# Altium PCB PCBv2.PcbDoc (part 1 of 2)
Units mil, origin at the board's own origin, x right, y up, seen from the top; angles counter-clockwise.
Board outline 3566.19 x 4857.71 mil, 2 copper layers (Top Layer, Bottom Layer), stack 42.17 mil thick; 108 components, 63 nets, 369 pads, 2924 vias.
Unrouted connection lines stored in the file: 1.
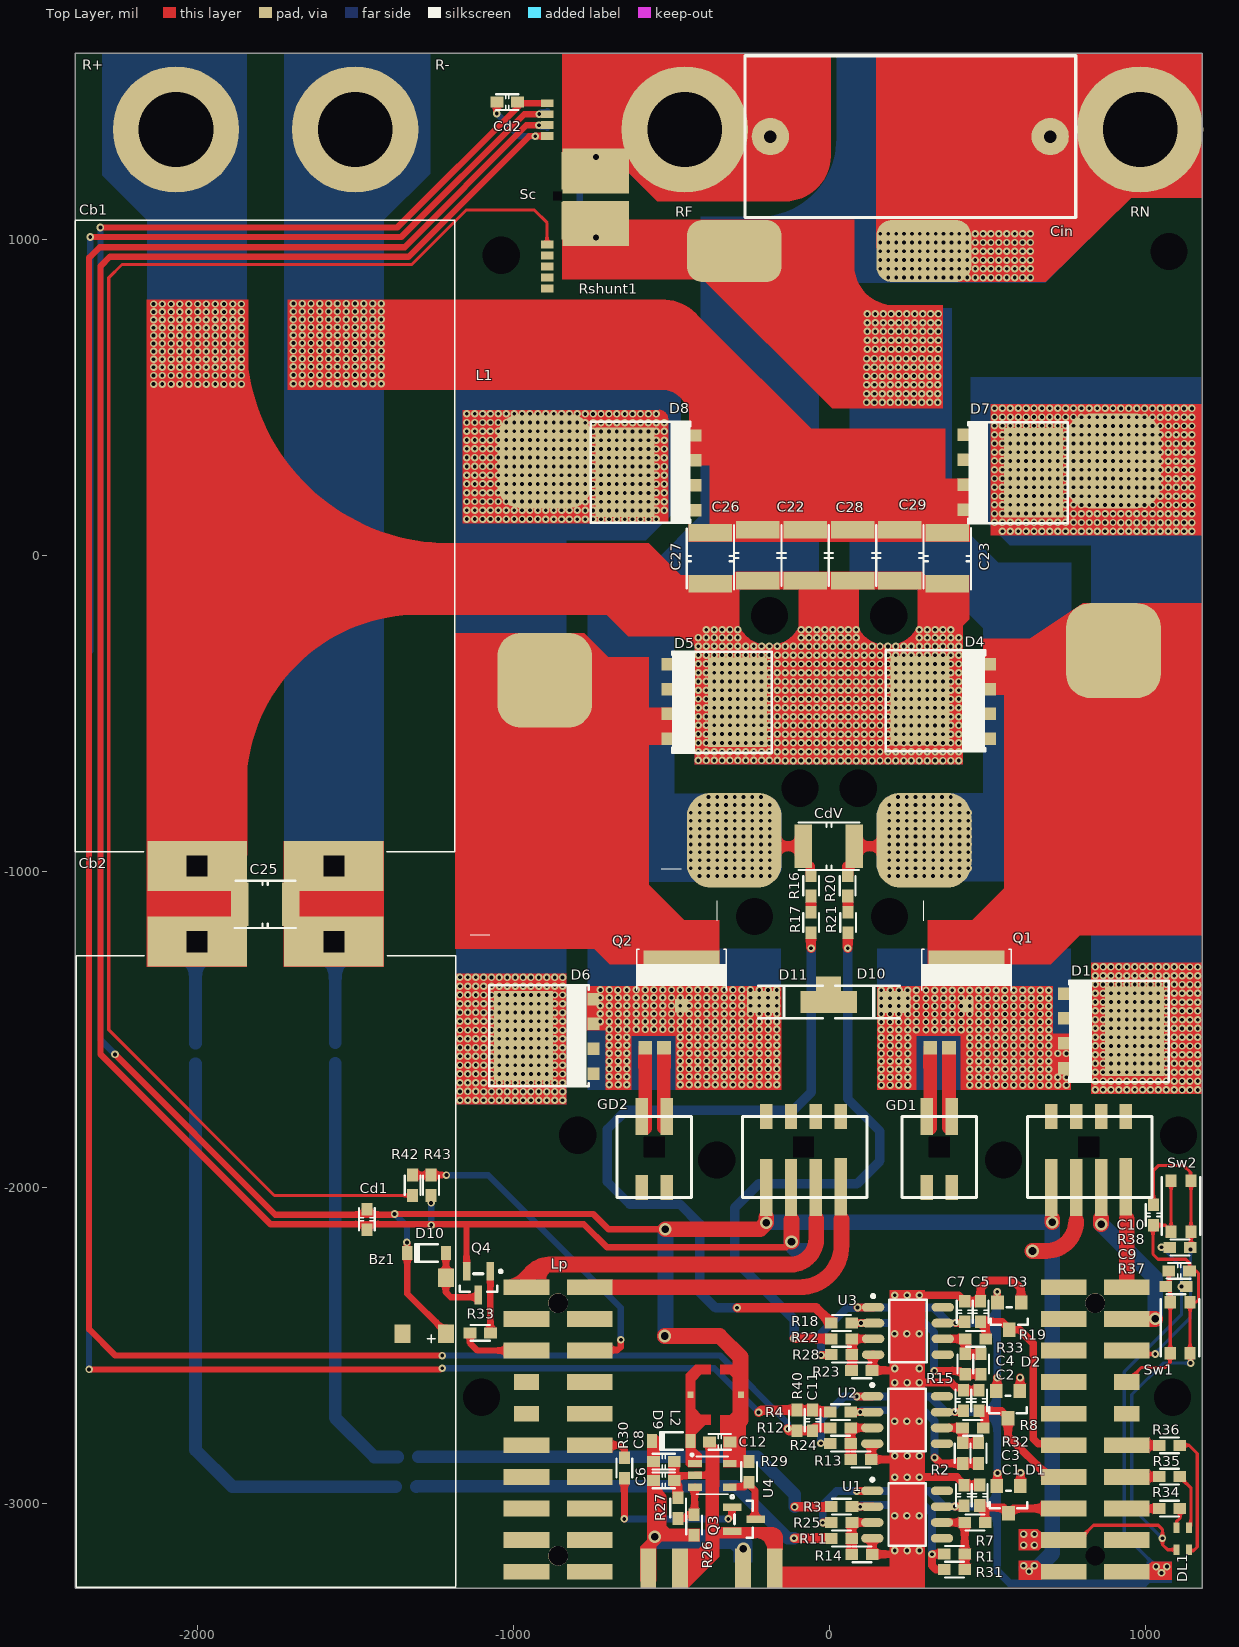
[diagram p0: Top Layer view]
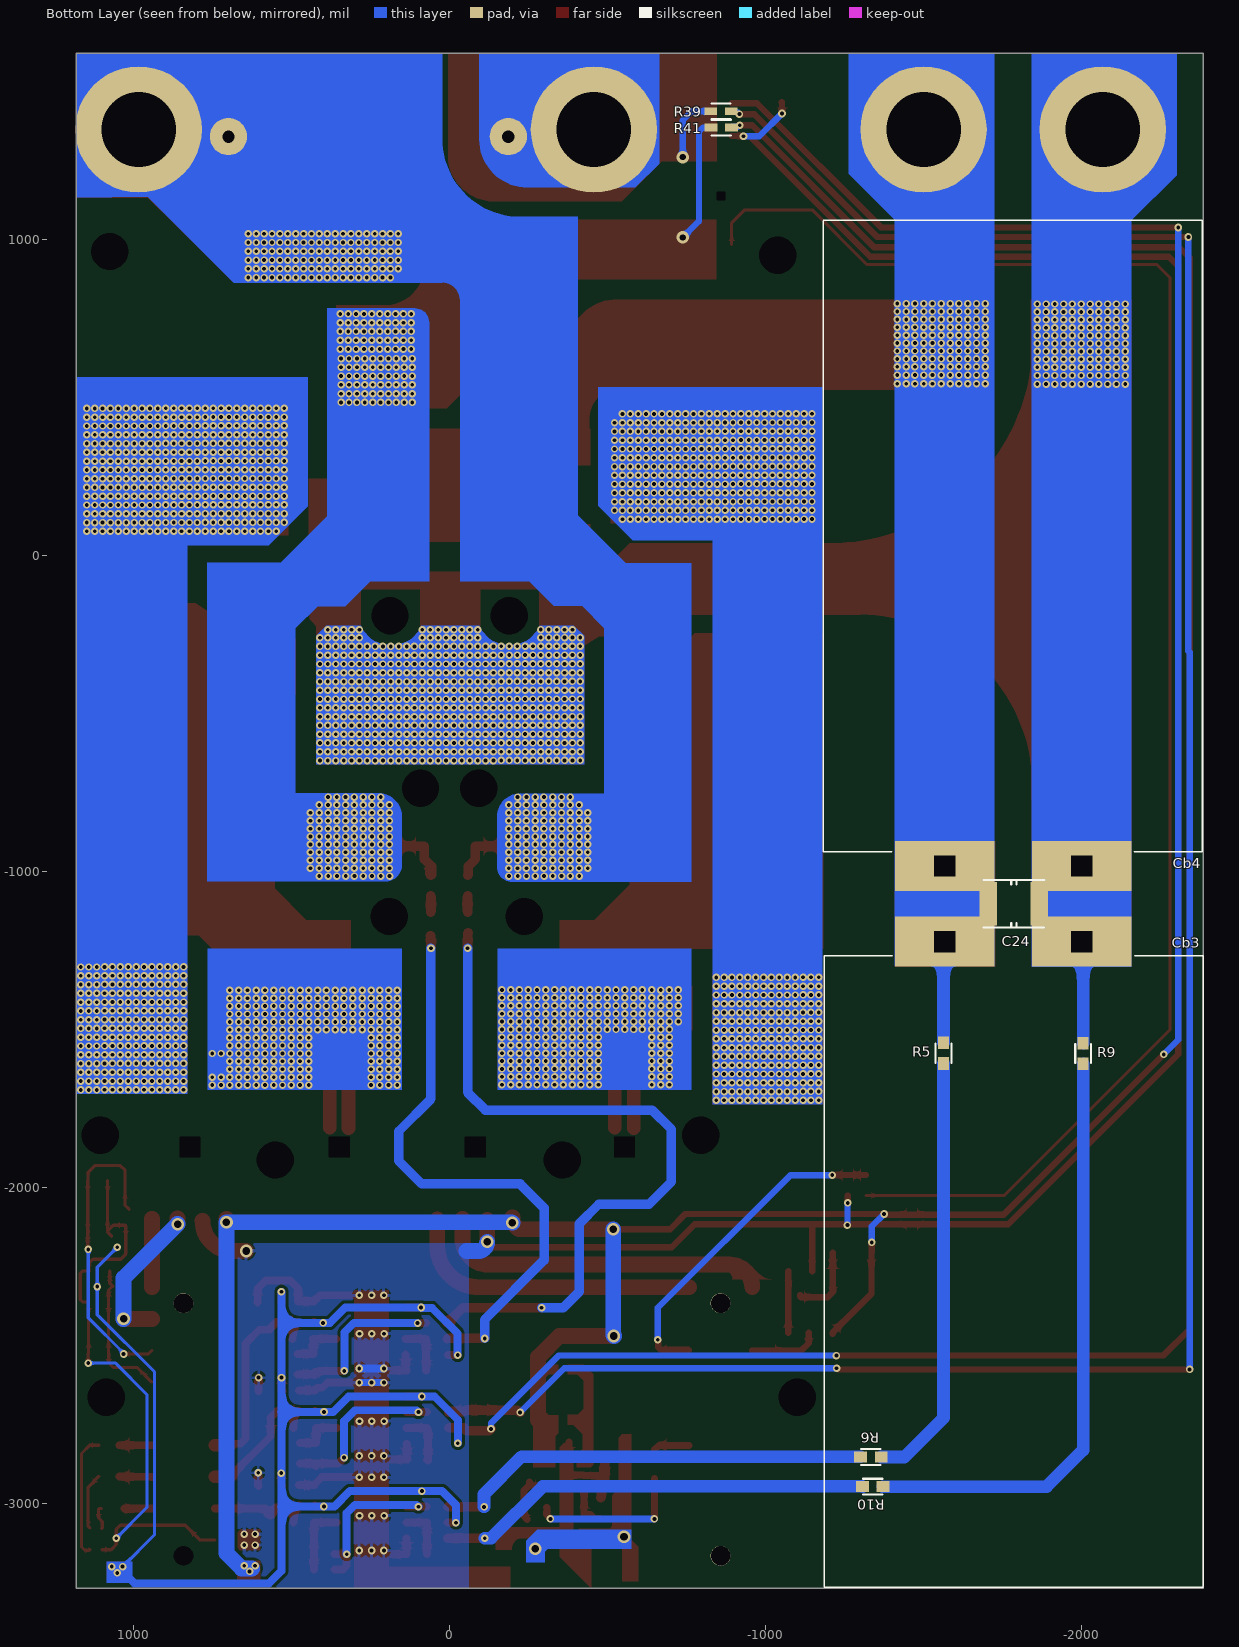
[diagram p1: Bottom Layer view, seen from below]

## Layer stack, top to bottom
Top Solder: solder mask 0.4, Solder Resist, Dk 3.5
Top Layer: signal copper 1.4
Dielectric 1: dielectric 39.3701, FR-4, Dk 4.8
Bottom Layer: signal copper 1.4
Bottom Solder: solder mask 0.4, Solder Resist, Dk 3.5

## Board outline
-2385.19,-3267.71 -2385.19,1590 1181,1590 1181,-3267.71

## Design rules (kind name [scope] priority, off if disabled: settings)
Clearance [All] p1: gap=10 ignorepadtopadclearanceinfootprint=TRUE except(0: Arc-Via Arc-Text Arc-Hole Track-Via Track-Text Track-Hole SMDPad-Via SMDPad-Text SMDPad-Hole THPad-Text THPad-Hole Via-Text Via-Hole Fill-Text Fill-Hole Poly-Text Poly-Hole Region-Text Region-Hole Text-Text Text-Hole)
Height [All] p1: minheight=0 maxheight=10000 prefheight=500
PolygonConnect [All] p1: connectstyle=Relief reliefconductorwidth=10 reliefentries=4 polygonreliefangle="90 Angle" airgapwidth=10
RoutingVias [All] p1: holewidth=12 width=24 viastyle="Through Hole" minholewidth=11.81 minwidth=15.75 maxholewidth=300 maxwidth=3000
SolderMaskExpansion [All] p1: expansion=4
Width [All] p1: maxlimit=1000 minlimit=6 preferedwidth=10 minimp=50.000000 maximp=50.000000 favimp=50.000000
29 further rules are at their usual default settings.

## Classes and differential pairs
component class PFC: C22 C23 C24 C25 C26 C27 C28 C29 Cb1 Cb2 Cb3 Cb4 Cd1 Cd2 CdV Cin D1 D4 D5 D6 D7 D8 D10 D11 L1 Q1 Q2 R39 R41 R+ R- RF RN Rshunt1 Sc
component class GateDrive: C16 C17 C18 C19 C20 C21 DZ_a1 DZ_c1 FB_a1 FB_c1 GD1 GD2 LED1 LED2 PS1 PS2
component class Instrumentacao: C1 C2 C3 C4 C5 C7 C11 D1 D2 D3 R1 R2 R3 R4 R5 R6 R7 R8 R9 R10 R11 R12 R13 R14 R15 R16 R17 R18 R19 R20 R21 R22 R23 R24 R25 R28 R31 R32 R33 R40 U1 U2 U3
component class Conector_FPGA: Bz1 C6 C8 C9 C10 C12 D9 D10 DL1 L2 Lp Q3 R26 R27 R29 R30 R33 R34 R35 R36 R37 R38 R42 R43 Sw1 Sw2 U4

## Components (designator, comment, footprint, x,y, rotation, side; value= is the part's Value field where it differs from the comment)
Bz1 "CMT-0502-75-SMT-TR" "BUZZER_SMD CMT-0502" -1212,-2462 r90 top
C1 "0603" 0603C 476.8,-2973 r270 top value=100nF
C2 "0603" 0603C 474.85,-2673 r90 top value=10nF
C3 "0603" 0603C 426.8,-2973.5 r90 top value=100nF
C4 "0603" 0603C 424.85,-2673 r90 top value=100nF
C5 "0603" 0603C 479.35,-2392 r90 top value="22 nF"
C6 "0603" 0603C -523,-2926 r180 top value="10 uF"
C7 "0603" 0603C 429.35,-2392 r90 top value=100nF
C8 "0603" 0603C -523,-2867 r180 top value="10 uF"
C9 "0603" 0603C 1108,-2263 r0 top value=100nF
C10 "0603" 0603C 1027,-2086 r270 top value=100nF
C11 "0603" 0603C -52,-2736 r270 top value=10pF
C12 "0603" 0603C -346,-2804 r0 top value="10 uF"
C22 "1812" 1812C -75.75,2 r90 top value=100nF
C23 "1812" 1812C 374.11,-8.28 r90 top value=100nF
C24 "1812" 1812C -1785,-1101 r0 bottom value=100nF
C25 "1812" 1812C -1784,-1103 r0 top value=100nF
C26 "1812" 1812C -225.7,2 r90 top value=100nF
C27 "1812" 1812C -375.65,-8.28 r90 top value=100nF
C28 "1812" 1812C 74.2,2 r90 top value=100nF
C29 "1812" 1812C 224.15,2 r90 top value=100nF
Cb1 "Cap 30x50 mm" "CAP ALU D30 A50  DeitadoPCB" -1783.65,-1197 r0 top locked value=680uF
Cb2 "Cap 30x50 mm" "CAP ALU D30 A50  DeitadoPCBV" -1783.65,-1006 r180 top locked value=680uF
Cb3 "Cap 30x50 mm" "CAP ALU D30 A50  DeitadoPCB" -1783.65,-1006 r0 bottom locked value=680uF
Cb4 "Cap 30x50 mm" "CAP ALU D30 A50  DeitadoPCBV" -1783.65,-1197 r180 bottom locked value=680uF
Cd1 "0603" 0603C -1463,-2100 r270 top value=1uF
Cd2 "0603" 0603C -1018.46,1436 r180 top value=1uF
CdV "1812" 1812C -0.75,-919 r180 top value=100nF
Cin "Cap Film 22.5mm" "CAP FILM 22.5 mm Lead" 257,1327 r0 top value=1.5uF
D1 "IDL12G65C5XUMA2Diode 1N40XX" VSON4 744.35,-1385.26 r270 top
D1 "BAT54S" SOT23 567.8,-2987 r270 top
D2 "BAT54S" SOT23 566.25,-2686.31 r270 top
D3 "BAT54S" SOT23 570.35,-2406 r270 top
D4 "IDL12G65C5XUMA2Diode 1N40XX" VSON4 509,-579.12 r90 top
D5 "IDL12G65C5XUMA2Diode 1N40XX" VSON4 -511.46,-342.9 r270 top
D6 "IDL12G65C5XUMA2Diode 1N40XX" VSON4 -745.65,-1639 r90 top
D7 "IDL12G65C5XUMA2Diode 1N40XX" VSON4 425.69,382.72 r270 top
D8 "IDL12G65C5XUMA2Diode 1N40XX" VSON4 -424,144.52 r90 top
D9 "PMEG2005EGWJ" SOD-123-2 -499,-2802 r0 top
D10 "PMEG2005EGWJ" SOD-123-2 -1274,-2206 r0 top
D10 "ES1J" DO-214AC 121.2,-1412.45 r0 top
D11 "ES1J" DO-214AC -122.43,-1412.45 r180 top
DL1 "LED 0603" "LED SMD 0606" 1119,-3111 r270 top
GD1 "GateDrive GaN" GateDriveGaN 624.59,-1902.5 r180 top
GD2 "GateDrive GaN" GateDriveGaN -278,-1902.48 r180 top
L1 "Indutor PFC Dissertacao" "INDUTOR DISSERTACAO" 0,0.01 r180 top locked value=32uH
L2 "LPS5030-472MRB" LPS5030 -359,-2655 r180 top value="4.7 uH"
Lp "FPGAStartKit" FPGA_BRUXILIS_SMD 587.35,-3045 r180 top locked
Q1 "GS66508B" GS66508B 435.35,-1414.15 r0 top
Q2 "GS66508B" GS66508B -466.65,-1414.16 r0 top
Q3 "BC-817-40" SOT23-3N -269,-3049 r0 top
Q4 "BC-817-40" SOT23-3N -1110,-2302 r270 top
R1 "0603" 0603#1 396.8,-3158.5 r180 top value=10k
R2 "0603" 0603#1 423,-2840 r270 top value=12k
R3 "0603" 0603#1 39.8,-3009.28 r0 top value=560k
R4 "0603" 0603#1 35.85,-2710 r180 top value=3k3
R5 "0603" 0603#1 -1563,-1574 r270 bottom value=680k
R6 "0603" 0603#1 -1333,-2852 r0 bottom value=560k
R7 "0603" 0603#1 461.8,-3059.28 r180 top value=470R
R8 "0603" 0603#1 454.85,-2760 r180 top value=470R
R9 "0603" 0603#1 -2005,-1574.8 r270 bottom value=680k
R10 "0603" 0603#1 -1339,-2946 r0 bottom value=560k
R11 "0603" 0603#1 38.8,-3110 r0 top value=560k
R12 "0603" 0603#1 35.85,-2760 r180 top value=3k3
R13 "0603" 0603#1 100.85,-2860 r0 top value=12k
R14 "0603" 0603#1 103.8,-3160 r180 top value=10k
R15 "0603" 0603#1 431,-2558 r270 top value=10k
R16 "0603" 0603#1 -57,-1044 r270 top value=560k
R17 "0603" 0603#1 -57,-1160 r270 top value=470k
R18 "0603" 0603#1 39.35,-2428 r0 top value=470k
R19 "0603" 0603#1 463.35,-2478 r180 top value=470R
R20 "0603" 0603#1 59,-1044 r270 top value=560k
R21 "0603" 0603#1 60,-1160 r270 top value=470k
R22 "0603" 0603#1 39.35,-2478 r0 top value=470k
R23 "0603" 0603#1 103.35,-2578 r180 top value=10k
R24 "0603" 0603#1 35.85,-2810 r180 top value=24k
R25 "0603" 0603#1 39.8,-3059.28 r0 top value=10k
R26 "0603" 0603#1 -427,-3067 r270 top value=1M05
R27 "0603" 0603#1 -478,-3014 r270 top value=120K
R28 "0603" 0603#1 39.35,-2528 r180 top value=10k
R29 "0603" 0603#1 -253,-2899 r90 top value=1k
R30 "0603" 0603#1 -648,-2887 r270 top value=2k2
R31 "0603" 0603#1 397,-3208 r180 top value=10k
R32 "0603" 0603#1 473,-2840 r270 top value=12k
R33 "0603" 0603#1 -1104,-2459 r0 top value=1k0
R33 "0603" 0603#1 481,-2558 r270 top value=10k
R34 "0603" 0603#1 1077,-3015.25 r0 top value=270R
R35 "0603" 0603#1 1077,-2914 r0 top value=270R
R36 "0603" 0603#1 1077,-2815 r0 top value=270R
R37 "0603" 0603#1 1098,-2312 r0 top value=10k
R38 "0603" 0603#1 1111,-2189 r180 top value=10k
R39 "0603" 0603#2 -858.5,1407 r180 bottom value=0R
R40 "0603" 0603#1 -102,-2736 r90 top value=2.7k
R41 "0603" 0603#3 -859.5,1355 r180 bottom value=0R
R42 "0603" 0603#1 -1318,-1992 r270 top value=12k
R43 "0603" 0603#1 -1260,-1992 r90 top value=24k
R+ "Rebite" Rebite#1 -2066.93,1349.21 r0 top
R- "Rebite" Rebite#1 -1500,1349.21 r0 top
RF "Rebite" Rebite#2 -452.76,1349.21 r0 top
RN "Rebite" Rebite#3 984.25,1349.21 r0 top
Rshunt1 "WSHM28189L000FEA" WSHM -738,1134.84 r270 top value="0.1 R"
Sc "Sensor Corrente Diss CFS1000" "Sensor Corrente Diss CFS1000" -892.56,1432.5 r270 top
Sw1 "SW_PUSH_BUTTON" "PUSH_BUTTON SMD" 1111,-2443 r90 top
Sw2 "SW_PUSH_BUTTON" "PUSH_BUTTON SMD" 1114,-2058 r270 top
U1 "MAX4238" SOIC8 247.08,-3034.28 r0 top
U2 "MAX4238" SOIC8 246.85,-2735 r0 top
U3 "MAX4238" SOIC8 249.62,-2453.28 r0 top
U4 "MCP1661T-E/OT" SOT-23-5 -369,-2910 r0 top

## Footprints (in the part's own frame and the unit in brackets; to place one, negate y for a bottom-side part, rotate by r counter-clockwise, add the part's x,y. Pads: shape width x height; smd on the part's side, far side on the other; paste and mask are expansions set on the pad)
0603#1 [mil]
  rect 40x35 smd: 1(-32.5,0) 2(32.5,0)
  silkscreen extent -30,-25 30,25, body extent -31,-16 32,16, height 16
0603#2 [mil]
  rect 40x25 smd: 1(-32.5,0)
  rect 39.37x25 smd: 2(32.5,0)
  silkscreen extent -30,-25 30,25, body extent -31,-16 31,16, height 16
0603#3 [mil]
  rect 40x25 smd: 1(-32.5,0) 2(32.5,0)
  silkscreen extent -30,-25 30,25, body extent -31,-16 31,16, height 16
0603C [mil]
  rect 40x35 smd: 1(-32.5,0) 2(32.5,0)
  silkscreen extent -35,-25 35,25, body extent -32,-16 32,16, height 31
1812C [mm]
  rect 1.4x3.5 smd: 1(-2.05,0) 2(2.05,0)
  silkscreen extent -2.47,-1.91 2.43,1.91, body extent -2.47,-1.78 2.43,1.72, height 1.55
"BUZZER_SMD CMT-0502" [mm] "BUZZER CMT-0502-75-SMT-TR"
  rect 1.5x1.3 smd: 1(0,0) 2(4.5,0) ""(0,3.5)
  silkscreen extent -0.7,0.9 -0.1,1.5, body extent 0,-0.8 4.7,5.1, height 2.05
"CAP ALU D30 A50  DeitadoPCB" [mm]
  rect 8x4 hole 1.67 square: 1(-5.5,5.461) 2(5.5,5.461)
  silkscreen extent -15.28,6.6 15.2,57.37, body extent -15.28,-0.41 15.2,57.28, height 30.24
"CAP ALU D30 A50  DeitadoPCBV" [mm]
  rect 8x4 hole 1.67 square: 1(5.5,5.461) 2(-5.5,5.461)
  silkscreen extent -15.28,6.6 15.2,57.37, body extent -15.28,-0.41 15.2,57.28, height 30.24
"CAP FILM 22.5 mm Lead" [mm]
  round 3 hole 1: 1(-11.25,0) 2(11.25,0)
  silkscreen extent -13.3,-6.5 13.3,6.5, body extent -13,-6.53 13,6.48, height 22
DO-214AC [mm]
  rect 2.65x1.75 smd: 1(-2.15,0) 2(2.15,0)
  silkscreen extent -2.6,-1.3 2.6,1.3, body extent -2.6,-1.3 2.6,1.3, height 2.4
FPGA_BRUXILIS_SMD [mil]
  rect 144.88x50 smd: 1(-355,170) 1a(1345,170) 2(-355,70) 2a(1345,70) 3(-355,-30) 3a(1345,-30) 4(-355,-130) 4a(1345,-130) 5(-355,-230) 5a(1345,-230) 6a(1345,-330) 7a(1345,-430) 8(-355,-530) 8a(1345,-530) 9(-355,-630) 9a(1345,-630) 10(-355,-730) 10a(1345,-730) 11(-155,-730) 11a(1545,-730) 12(-155,-630) 12a(1545,-630) 13(-155,-530) 13a(1545,-530) 14(-155,-430) 15(-155,-330) 16(-155,-230) 16a(1545,-230) 17(-155,-130) 17a(1545,-130) 18(-155,-30) 18a(1545,-30) 19(-155,70) 19a(1545,70) 20(-155,170) 20a(1545,170)
  rect 80x50 smd: 6(-355,-330) 7(-355,-430) 14a(1545,-430) 15a(1545,-330)
  round 62.99 on Drill Drawing: ""(-255,120)
  round 62.99 hole 62.2 unplated: ""(-255,-680) ""(1445,-680) ""(1445,120)
  body extent -413,-1045 1603,455, height 953
GateDriveGaN [mm]
  rect 1x4.6 smd: 1(-8,2.4) 2(-6,2.45) 3(-4,2.45) 4(-2,2.45)
  rect 1x2.032 smd: 5(8,2.45) 6(6,2.45) ""(-8,-3.25) ""(-6,-3.25) ""(-4,-3.25) ""(-2,-3.25)
  round 0 hole 1.67 square unplated: 6(-5,-0.8) 6(7,-0.8)
  rect 1x3 smd: ""(6,-3.25) ""(8,-3.25)
  silkscreen extent -10.1,-3.25 10,3.25, body extent -10.1,-8.7 10,4.2, height 25.17
GS66508B [mm] "GAN TRANS E-MODE 650V 30A"
  rect 6.1x1.1 smd: D(0,3.63)
  rect 1.1x1.1 smd: G(-2.93,-3.63) S(0,-0.25) SS(-1.42,-3.63)
  Top Layer region: -3.475,0.475 3.475,0.475 3.475,-4.175 -0.475,-4.175 -0.475,-2.675 -3.475,-2.675
  silkscreen extent -3.6,1 3.6,4.3, body extent -3.5,-4.2 3.5,4.2, height 0.5
"INDUTOR DISSERTACAO" [mm]
  rrect50% 7.62x7.62 smd: 1(-22.86,7.62) 2(-22.86,-7.62) 3(22.86,10) 4(22.86,-7.62) F(-7.62,22.86) N(7.62,22.86)
  rrect50% 7.62x5 smd: F(7.62,-24.5) N(-7.62,-24.5)
  body extent -23.88,-23.88 23.88,23.88, height 21.44
"LED SMD 0606" [mm]
  rect 0.85x0.5 smd: B(0.875,0.5) C(0.875,-0.5) G(-0.875,0.5) R(-0.875,-0.5)
  body extent -0.82,-0.87 0.83,1.39, height 0.68
LPS5030 [mm]
  rect 0.5x0.5 smd: 1(-2.032,0) 2(2.032,0)
  Top Layer region: -1.651,0 -1.651,1.143 -1.143,1.651 -0.381,1.651 -0.381,2.413 -1.651,2.413 -2.413,1.651 -2.413,0
  Top Layer region: 1.651,0 1.651,-1.143 1.143,-1.651 0.381,-1.651 0.381,-2.413 1.651,-2.413 2.413,-1.651 2.413,0
  Top Layer region: 1.651,0 1.651,1.143 1.143,1.651 0.381,1.651 0.381,2.413 1.651,2.413 2.413,1.651 2.413,0
  Top Layer region: -1.651,0 -1.651,-1.143 -1.143,-1.651 -0.381,-1.651 -0.381,-2.413 -1.651,-2.413 -2.413,-1.651 -2.413,0
  body extent -2.44,-2.44 2.44,2.44, height 3
"PUSH_BUTTON SMD" [mm]
  rect 1x0.9 smd: 1(-2.05,0.8) 1(2.05,0.8) 2(-2.05,-0.8) 2(2.05,-0.8)
  silkscreen extent -2.31,-1.55 2.29,1.55, body extent -2.3,-1.5 2.3,1.5, height 2.1
Rebite#1 [mm]
  round 10.16 hole 6: 1(0,0)
  body extent -4.5,-4.5 4.5,4.5, height 1.4
Rebite#2 [mm]
  round 10.16 hole 6: 1(-0.1,0)
  body extent -4.5,-4.5 4.5,4.5, height 1.4
Rebite#3 [mm]
  round 10.16 hole 6: 1(0,0.004)
  body extent -4.5,-4.5 4.5,4.5, height 1.4
"Sensor Corrente Diss CFS1000" [mm]
  rect 0.635x1 smd: 1(0,0) 2(0.889,0) 3(1.752,0) 4(2.641,0) 7(11.354,0) 8(12.243,0) 9(13.132,0) 10(14.021,0) 11(14.91,0)
  rect 3x1 smd: 5(5.442,1.67) 6(9.442,1.67)
  rect 0x0 hole 0.67 square unplated: ""(7.455,0.852)
  body extent -0.5,-2.15 15.5,1.45, height 33.26
SOD-123-2 [mm]
  rect 0.81x1.12 smd: A(1.55,0) K(-1.55,0)
  silkscreen extent -0.9,-0.7 0.9,0.7, body extent -1.85,-0.8 1.85,0.8, height 1.15
SOIC8 [mm]
  oval 1.8x0.7 smd: 1(-2.8,1.905) 2(-2.8,0.635) 3(-2.8,-0.635) 4(-2.8,-1.905) 5(2.8,-1.905) 6(2.8,-0.635) 7(2.8,0.635) 8(2.8,1.905)
  silkscreen extent -2.92,-2.5 1.5,2.93, body extent -3,-2.45 3,2.45, height 1.75
SOT23 [mil]
  rect 45x40 smd: 1(-43.31,37.4) 2(-43.31,-37.4) 3(43.31,0)
  silkscreen extent -28,-59 28,59, body extent -55,-57 55,57, height 51
SOT23-3N [mm]
  rect 1.5x0.6 smd: 1(-0.95,0.95) 2(-0.95,-0.95) 3(0.95,0)
  silkscreen extent -1.07,-1.5 0.7,1.92, body extent -1.26,-1.45 1.16,1.45, height 0.99
SOT-23-5 [mm]
  rect 1.1x0.6 smd: 1(-1.4,0.95) 2(-1.4,0) 3(-1.4,-0.95) 4(1.4,-0.95) 5(1.4,0.95)
  silkscreen extent -1.75,-1.52 1.27,1.75, body extent -1.25,-1.5 1.25,1.5, height 1.1
VSON4 [mm]
  rect 1x1 smd: 1(4,0) 1(6,0) ""(0,0) ""(2,0)
  rect 7.2x4.75 smd: 2(3.048,5.63)
  silkscreen extent -1.02,0.38 7.11,8.38, body extent -2.03,0.38 7.05,8.38, height 1
WSHM [mm]
  rect 3.63x5.33 smd: 1(-2.108,0) 2(2.108,0)
  body extent -3.55,-2.29 3.55,2.31, height 1.35

## Part data
Bz1: library part "Buzzer SMD 5x2 mm", "Speakers & Transducers buzzer, 5 mm, 2 mm deep, M, 3 V, 75 dB, Surface Mount (SMT), Audio Transducer", ComponentLink1Description=MOUSER, ComponentLink1URL=https://br.mouser.com/ProductDetail/490-CMT-0502-75SMTTR, ComponentLink2Description=DATASHEET, ComponentLink2URL=https://br.mouser.com/datasheet/2/670/cmt-0502-75-smt-tr-1777157.pdf
C1 C2 C3 C4 C5 C6 C7 C8 C9 C10 C11 C12 Cd1 Cd2: library part "Capacitor SMD 0603", "Capacitor SMD 0603"
C22 C23 C24 C25 C26 C27 C28 C29 CdV: library part "Capacitor SMD 1812", "Capacitor SMD 1812"
Cb1 Cb2 Cb3 Cb4: library part "Capacitor ALU 30x50 mm", "Capacitor 30x50 mm", %=±20%, Tensão=200V
Cin: library part "Capacitor FILM 22.5mm", "Film Capacitors 310volts 1.5uF 10%", %=±20%, ComponentLink1Description=Mouser, ComponentLink1URL=https://br.mouser.com/ProductDetail/80-F863DV155M310L, Tensão=200V
D1 D4 D5 D6 D7 D8: library part IDL12G65C5XUMA2, "DIODE SCHOTTKY 650V 12A VSON-4", ComponentLink1Description=DIGI, ComponentLink1URL=https://www.digikey.com/product-detail/en/infineon-technologies/IDL12G65C5XUMA2/IDL12G65C5XUMA2-ND/7313875
D1 D2 D3: library part BAT54SFSCT-ND, "DIODE SCHOTTKY 20V 0.5A SOD123", Supplier 1=Digi-Key, Supplier Part Number 1=BAT54SFSCT-ND
D9 D10: library part "Diodo Schottky PMEG2005", "Schottky Diodes & Rectifiers SCHOTTKY DIODES", ComponentLink1Description=MOUSER, ComponentLink1URL=https://br.mouser.com/ProductDetail/841-PMEG2005EGWJ, ComponentLink2Description=DATASHEET, ComponentLink2URL=https://br.mouser.com/datasheet/2/916/PMEG6010CEGW-1599909.pdf
D10 D11: library part "Diode ES1J", "Rectifiers 1.0 A Ultra Fast Recovery Rect", ComponentLink1Description=MOUSER, ComponentLink1URL=https://br.mouser.com/ProductDetail/512-ES1J, ComponentLink2Description=DATASHEET, ComponentLink2URL=https://br.mouser.com/datasheet/2/308/ES1J-D-1804952.pdf
DL1: library part "LED RGB 0606 SMD", "Standard LEDs - SMD 1.6X1.6MM RGB SMD LED", ComponentLink1Description=Mouser, ComponentLink1URL=https://br.mouser.com/ProductDetail/604-APTF1616SEJ3ZGGV, LatestRevisionDate=08-Jul-2005, LatestRevisionNote="Mech Layer 1 removed.", PackageReference=LED-0, Published=8-Jun-2000, Publisher="Altium Limited"
L1: "Indutor"
L2: library part "Indutor LPS5030-472MRB SMD", "Fixed Inductors 4.7uH Shld 20% 2A 83mOhms", ComponentLink1Description=MOUSER, ComponentLink1URL=https://br.mouser.com/ProductDetail/994-LPS5030-472MRB, ComponentLink2Description=DATASHEET, ComponentLink2URL=https://br.mouser.com/datasheet/2/597/lps5030-270738.pdf
Lp: library part FPGAStart
Q1 Q2: "GAN TRANS E-MODE 650V 30A"
Q3 Q4: "NPN General Purpose Amplifier", Code_JEDEC=TO-92A, ComponentLink1Description="Manufacturer Link", ComponentLink1URL=http://www.fairchildsemi.com/, ComponentLink2Description=Datasheet, ComponentLink2URL=http://www.fairchildsemi.com/ds/2N%2F2N3904.pdf, DatasheetVersion=1997, LatestRevisionDate=15-Jan-2003, LatestRevisionNote="PCB Footprint 'BCY-W3/D4.7' replaced", PackageReference=TO-92A, PackageVersion=Sep-1998, Published=8-Jun-2000, Publisher="Altium Limited"
R1 R2 R3 R4 R5 R6 R7 R8 R9 R10 R11 R12 R13 R14 R15 R16 R17 R18 R19 R20 R21 R22 R23 R24 R25 R26 R27 R28 R29 R30 R31 R32 R33 R33 R34 R35 R36 R37 R38 R39 R40 R41 R42 R43: library part "Resistor SMD 0603 1/10 W", "Resistor SMD 0603 1/10 W", %=±1%, P=1/8W
Rshunt1: library part "Resistor shunt SMD 7 W", "7W Chip Resistor Nonstandard Automotive AEC-Q200, Current Sense, Moisture Resistant, Pulse Withstanding Metal Element", %=±1%, P=3W
Sc: "Sensor Corrente Dissertação CFS1000"
Sw1 Sw2: library part "SW-PB SMD", "Switch Push Button SMD", LatestRevisionDate=17-Jul-2002, LatestRevisionNote="Re-released for DXP Platform.", PackageReference=SPST-2, Published=24-Mar-1999, Publisher="Altium Limited"
U1 U2 U3: "IC OPAMP GP 1MHZ RRO 8SOIC", Supplier Part Number 1=MAX4238ASA+-ND, Supplier 1=Digi-Key
U4: library part MCP1661, "Switching Voltage Regulators 32V Output Non-synch Boost Regulator", ComponentLink1Description=datasheet, ComponentLink1URL=https://br.mouser.com/datasheet/2/268/20005315A-357524.pdf, ComponentLink2Description=mouser, ComponentLink2URL=https://br.mouser.com/ProductDetail/579-MCP1661T-E-OT

## Free pads (board coordinates)
  round 0 hole 118.11 unplated: 7(-1100,-2663) 7(-1038,951) 7(-795,-1834) 7(-356,-1912) 7(-236,-1141.73) 7(-188.65,-190) 7(-92,-736) 7(92.01,-735.98) 7(188.65,-190) 7(191,-1141.73) 7(552,-1912.01) 7(1076,963) 7(1087,-2663) 7(1106,-1834)
  rect 50x125.98 smd: 8(-572,-3205) 8(-472,-3205) 8(-272,-3205) 8(-172,-3205)
  round 0 hole 62.2 unplated: 9(842.35,-3165)
  rect 78.74x78.74 smd: 10(-2,-1371)

## Via types
v1: diameter 23.62, hole 11.81, Top Layer to Bottom Layer, tented both sides, 2824 vias
v2: diameter 24, hole 12, Top Layer to Bottom Layer, tented both sides, 88 vias
v3: diameter 40, hole 24, Top Layer to Bottom Layer, tented both sides, 10 vias
v4: diameter 39.37, hole 19.68, Top Layer to Bottom Layer, 2 vias
